# Altium PCB PCB1.PcbDoc (part 1 of 2)
Units mm, origin at the board's own origin, x right, y up, seen from the top; angles counter-clockwise.
Board outline 28.4 x 27.84 mm, 4 copper layers (Component Side, Ground Plane, Power Plane, Solder Side), stack 0.844 mm thick; 86 components, 65 nets, 284 pads, 172 vias.
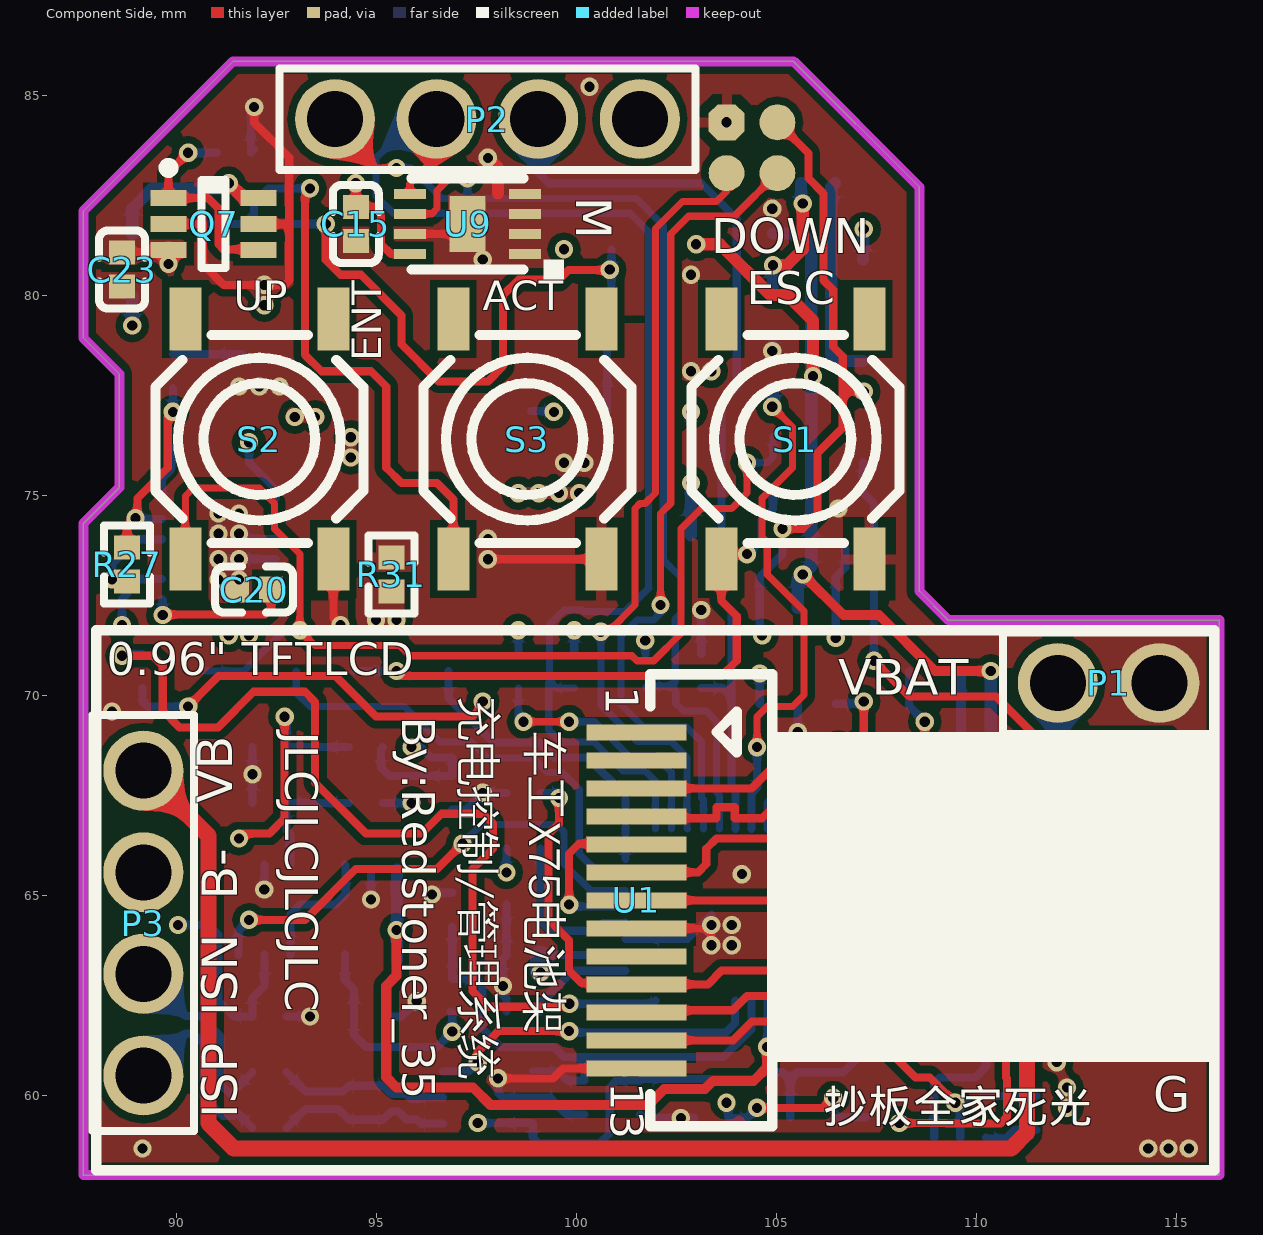
[diagram p0: Component Side view]
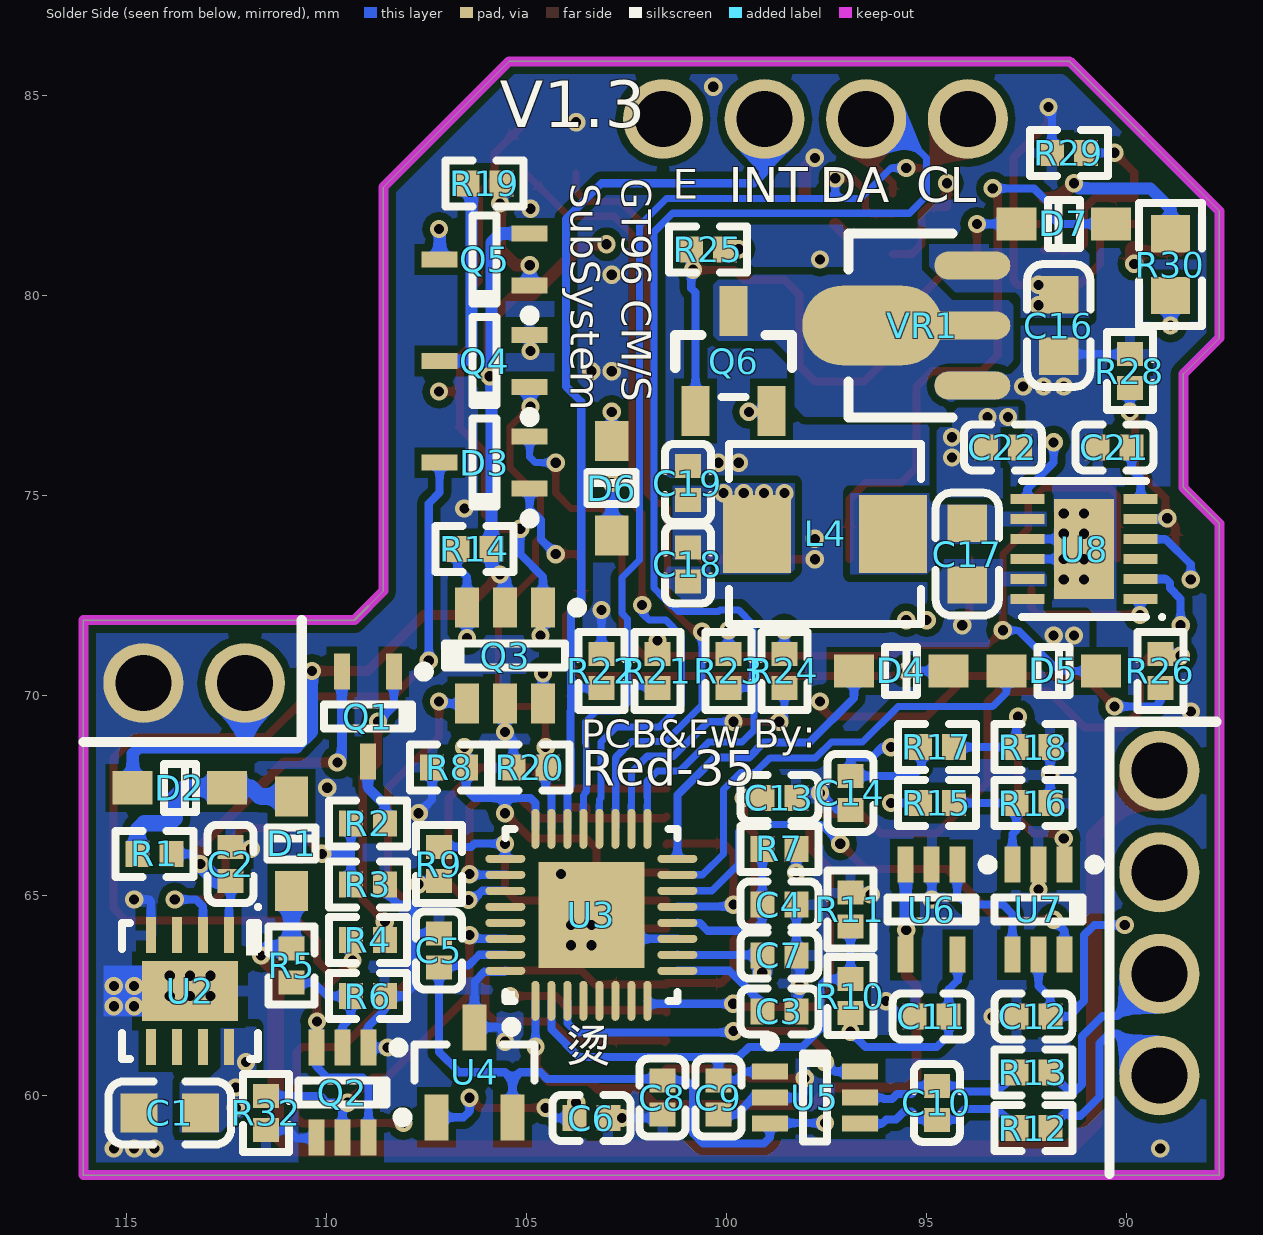
[diagram p1: Solder Side view, seen from below]
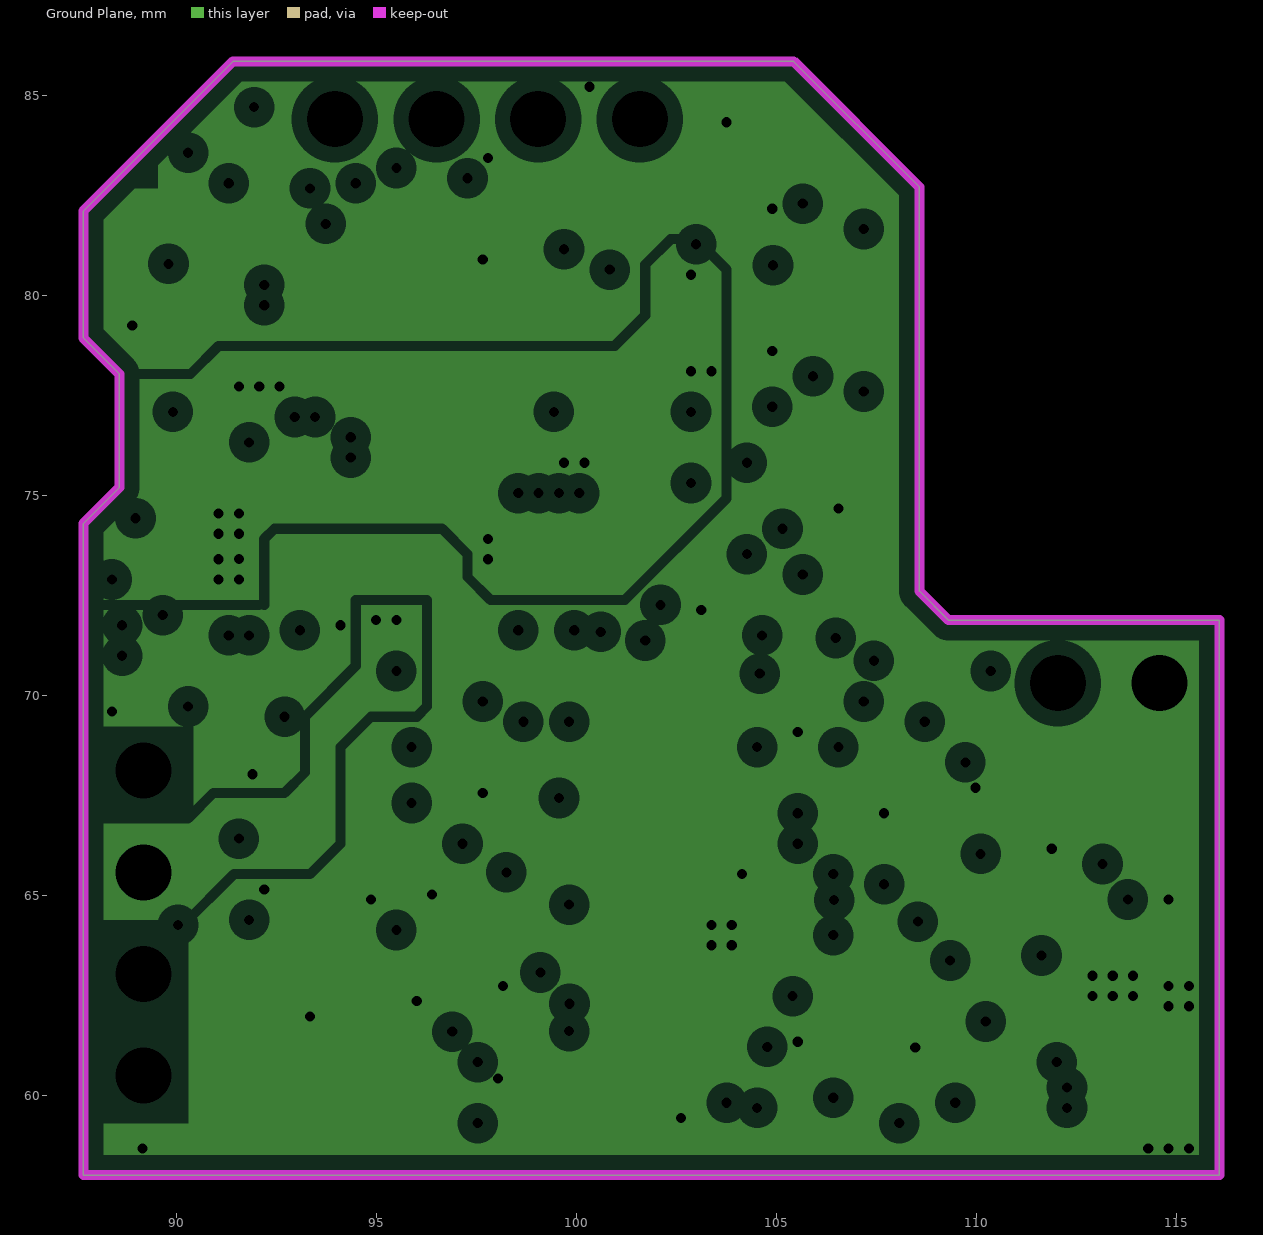
[diagram p2: Ground Plane, clearances drawn from the general rule]
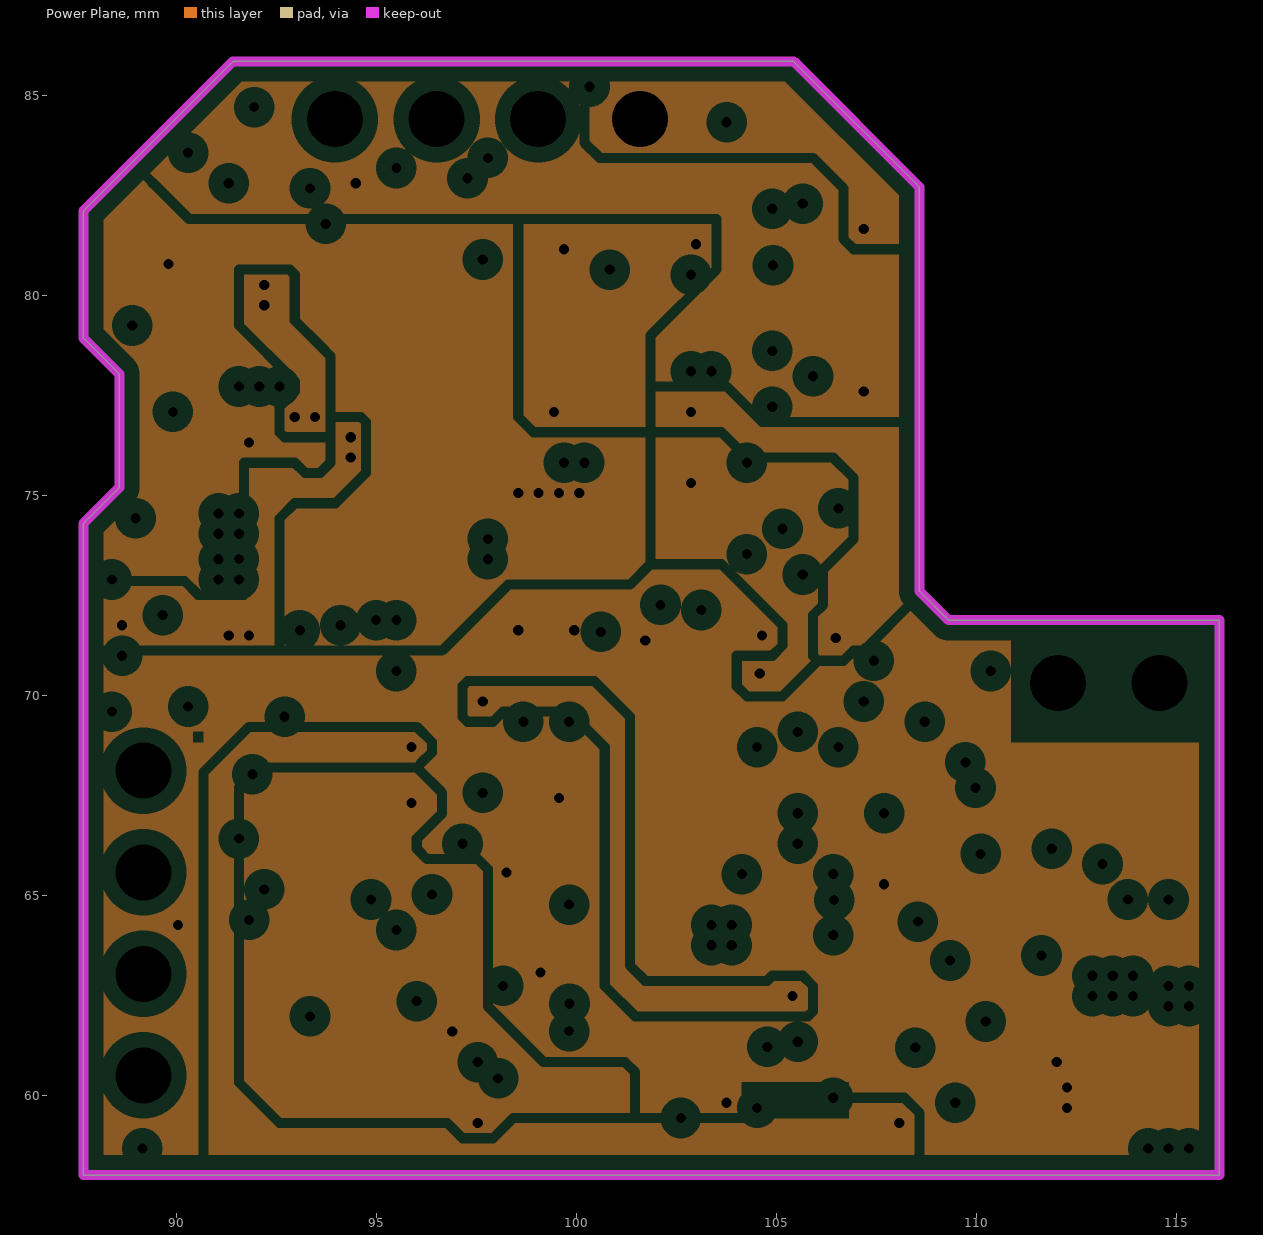
[diagram p3: Power Plane, clearances drawn from the general rule]
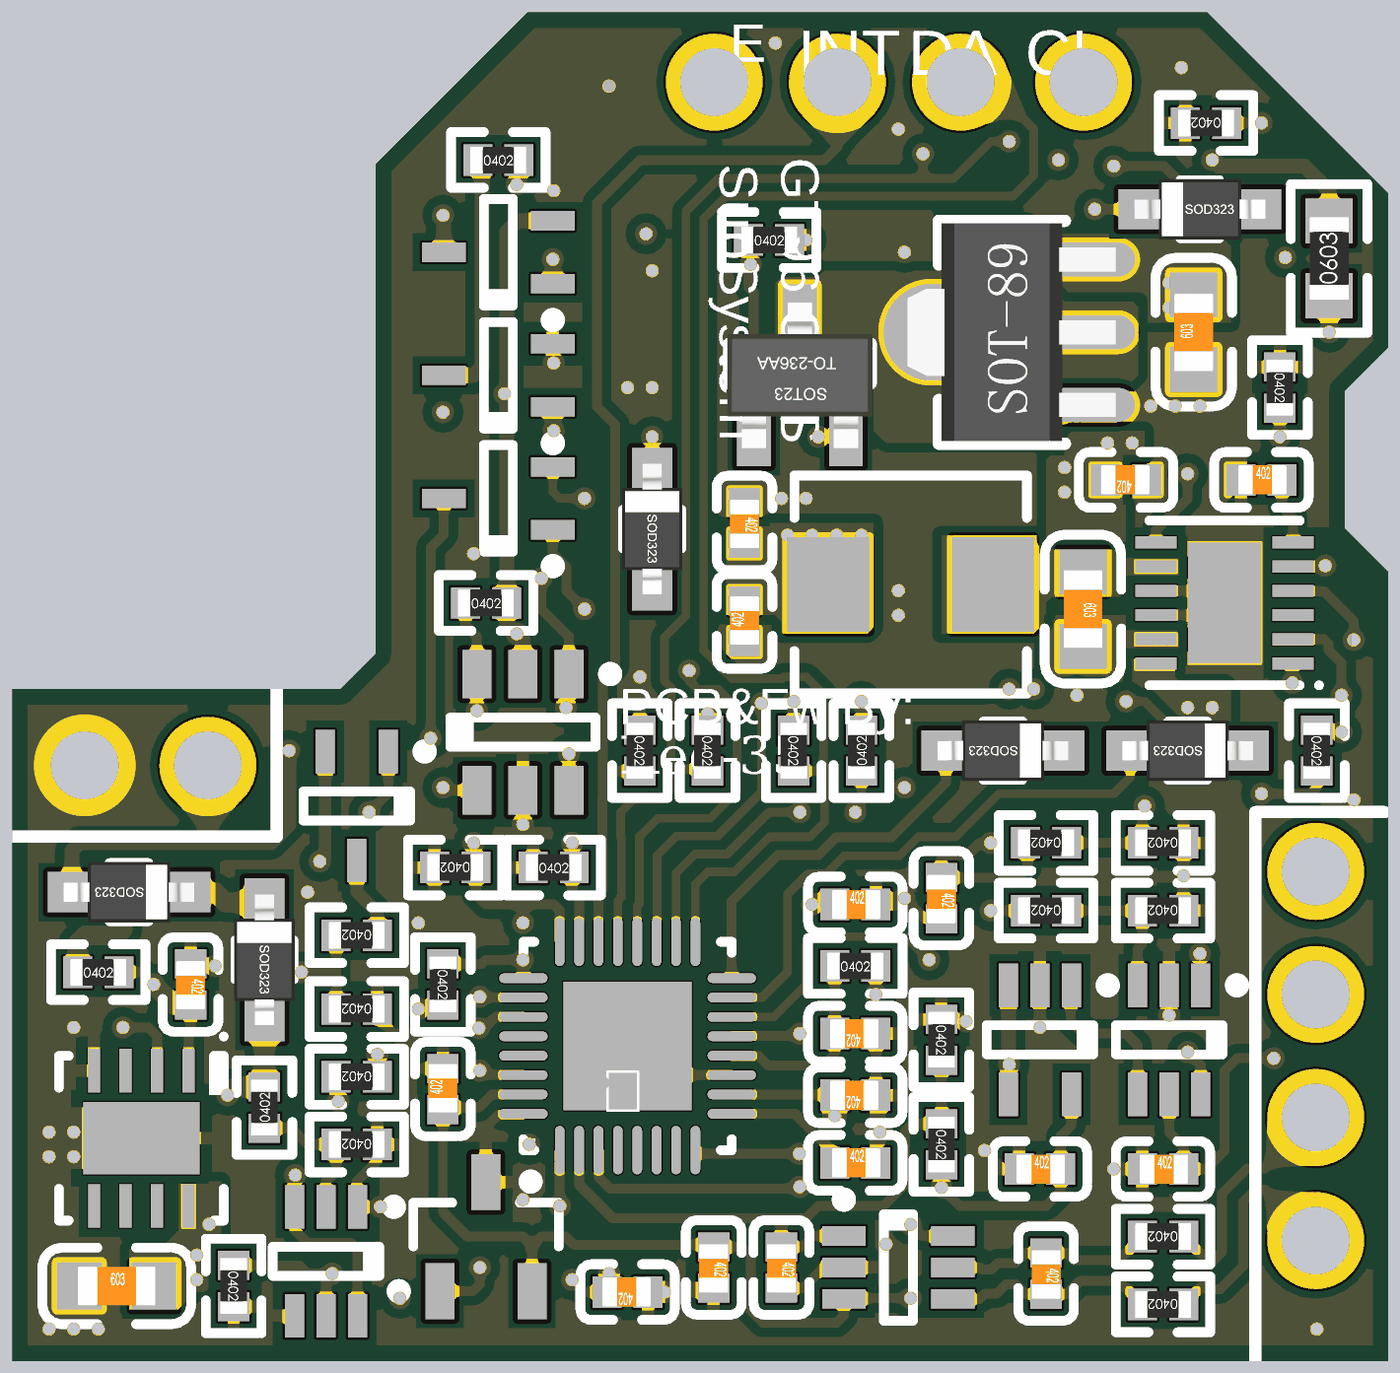
[diagram p5: 3D render of the assembled board from below, using the file's embedded part models]

## Layer stack, top to bottom
Top Solder: solder mask 0.0102, Solder Resist, Dk 3.5
Component Side: signal copper 0.0356
Dielectric 1: core 0.32, FR-4, Dk 4.8
Ground Plane: plane copper 0.036
Dielectric 3: prepreg 0.127, Dk 4.2
Power Plane: plane copper 0.036
Dielectric 4: core 0.254, Dk 4.2
Solder Side: signal copper 0.0356
Bottom Solder: solder mask 0.0102, Solder Resist, Dk 3.5

## Board outline
87.678,58.009 87.678,74.298 88.578,75.198 88.578,78.037 87.678,78.937 87.678,82.109 91.421,85.852 105.435,85.852 108.578,82.709 108.578,72.609 109.305,71.882 116.078,71.882 116.078,58.009

## Design rules (kind name [scope] priority, off if disabled: settings)
Clearance [All] p1: gap=0.191
DiffPairsRouting [All] p1: maxlimit=0.254 minlimit=0.203 mostfreqgap=0.229 toplayer_minwidth=0.203 toplayer_maxwidth=0.254 toplayer_prefwidth=0.229 bottomlayer_minwidth=0.203 bottomlayer_maxwidth=0.254 bottomlayer_prefwidth=0.229 maxuncoupledlength=12.7
PlaneClearance [All] p1: clearance=0.381
PlaneConnect [All] p1: planeconnectstyle=Direct reliefexpansion=0.508 reliefentries=4 reliefconductorwidth=0.254 reliefairgap=0.254
PolygonConnect PolygonConnect_1 [IsVia] p1: connectstyle=Direct reliefconductorwidth=0.254 reliefentries=4 polygonreliefangle="90 Angle" airgapwidth=0.254
PolygonConnect [All] p2: connectstyle=Direct reliefconductorwidth=0.254 reliefentries=4 polygonreliefangle="90 Angle" airgapwidth=0.254
RoomDefinition main [InComponentClass('main')] p1: confinementstyle=ConfineIn formatcopy=TRUE lockcomponents=FALSE outline 178.943,24.384 181.991,24.384 181.991,33.528 178.943,33.528
RoutingVias [All] p1: holewidth=0.711 width=1.27 viastyle="Through Hole" minholewidth=0.711 minwidth=1.27 maxholewidth=0.711 maxwidth=1.27
SolderMaskExpansion [All] p1: expansion=0.102
Width [All] p1: maxlimit=50.8 minlimit=0.178 preferedwidth=0.254
27 further rules are at their usual default settings.

## Classes and differential pairs
differential pair IS: +IS_P -IS_N
differential pair IS_FILT: +IS_FILT_P -IS_FILT_N

## Components (designator, comment, footprint, x,y, rotation, side; value= is the part's Value field where it differs from the comment)
C1 "10uF (106) 10% 10V" 0603_C 113.919,59.563 r180 bottom
C2 "1.0uF (105) 10% 25V" 0402_C 112.395,65.786 r270 bottom
C3 "4.7uF (475) 20% 10V" 0402_C 98.679,62.103 r180 bottom
C4 "100nF (104) 10% 16V" 0402_C 98.679,64.77 r0 bottom
C5 "1.0uF (105) 10% 25V" 0402_C 107.188,63.627 r90 bottom
C6 "100nF (104) 10% 16V" 0402_C 103.378,59.436 r0 bottom
C7 "100nF (104) 10% 16V" 0402_C 98.679,63.5 r0 bottom
C8 "100nF (104) 10% 16V" 0402_C 101.6,59.944 r270 bottom
C9 "1.0uF (105) 10% 25V" 0402_C 100.203,59.944 r270 bottom
C10 "10uF (106) 20% 6.3V" 0402_C 94.742,59.817 r270 bottom
C11 "100nF (104) 10% 16V" 0402_C 94.869,61.976 r180 bottom
C12 "100nF (104) 10% 16V" 0402_C 92.329,61.976 r180 bottom
C13 "100nF (104) 10% 16V" 0402_C 98.679,67.437 r180 bottom
C14 "100nF (104) 10% 16V" 0402_C 96.901,67.564 r270 bottom
C15 "100nF (104) 10% 16V" 0402_C 94.488,81.788 r90 top
C16 "10uF (106) 10% 10V" 0603_C 91.694,79.248 r90 bottom
C17 "10uF (106) 10% 10V" 0603_C 93.98,73.533 r270 bottom
C18 "10uF (106) 20% 10V" 0402_C 100.965,73.279 r90 bottom
C19 "10uF (106) 20% 10V" 0402_C 100.965,75.311 r270 bottom
C20 "220nF (224) 10% 16V" 0402_C 91.948,72.644 r0 top
C21 "1.0uF (105) 10% 25V" 0402_C 90.297,76.2 r180 bottom
C22 "10uF (106) 20% 10V" 0402_C 93.091,76.2 r0 bottom
C23 "10uF (106) 20% 10V" 0402_C 88.646,80.645 r90 top
D1 "1N5819WS S4" SOD-323 110.871,66.294 r270 bottom
D2 "1N5819WS S4" SOD-323 113.665,67.691 r0 bottom
D3 "BAW56WT1G" SC70-3 106.045,75.819 r0 bottom
D4 "1N4148WS T4" SOD-323 95.631,70.612 r0 bottom
D5 "1N4148WS T4" SOD-323 91.821,70.612 r0 bottom
D6 "BZT52C6V2S" SOD-323 102.87,75.184 r270 bottom
D7 "BZT52C6V2S" SOD-323 91.567,81.788 r180 bottom
L4 "0420-4.7uH" 0420CDMCCDS-***MC 97.536,74.041 r0 bottom
P1 "JVC2.54-2P" CONN-TH_2P-P2.54_JVC-2.54MM-2P 112.038,70.309 r180 top locked
P2 "JVC2.54-4P" CONN-TH_4P-P2.54_JVC-2.54MM-4P 93.968,84.409 r0 top locked
P3 "JVC2.54-4P" CONN-TH_4P-P2.54_JVC-2.54MM-4P 89.178,68.119 r270 top locked
Q1 "SS8550 Y2" SC70-3 108.966,69.469 r270 bottom
Q2 "2N7002DW" SC70-6 109.601,60.071 r270 bottom
Q3 "DMG6601LVT" SOT95P245X110-6N 105.537,70.993 r270 bottom
Q4 "2N7002KW" SC70-3 106.045,78.359 r0 bottom
Q5 "SS8550 Y2" SC70-3 106.045,80.899 r0 bottom
Q6 "NCE60P04Y" SOT-23(SOT-23-3) 99.822,78.359 r270 bottom
Q7 "2N7002DW" SC70-6 90.932,81.788 r0 top
R1 "1Ω (1R00) ±1%" 0402_R 114.3,66.04 r180 bottom
R2 "20KΩ (2002) ±1%" 0402_R 108.966,66.802 r0 bottom
R3 "9.1KΩ (9101) ±1%" 0402_R 108.966,65.278 r0 bottom
R4 "15KΩ (1502) ±1%" 0402_R 108.966,63.881 r0 bottom
R5 "20KΩ (2002) ±1%" 0402_R 110.871,63.246 r90 bottom
R6 "9.1KΩ (9101) ±1%" 0402_R 108.966,62.484 r0 bottom
R7 "10KΩ (1002) ±1%" 0402_R 98.679,66.167 r180 bottom
R8 "10KΩ (1002) ±1%" 0402_R 106.934,68.199 r0 bottom
R9 "10KΩ (1002) ±1%" 0402_R 107.188,65.786 r270 bottom
R10 "ARG02BTC1501" 0402_R 96.901,62.484 r270 bottom
R11 "ARG02BTC1501" 0402_R 96.901,64.643 r270 bottom
R12 "10Ω (10R0) ±1%" 0402_R 92.329,59.182 r0 bottom
R13 "10Ω (10R0) ±1%" 0402_R 92.329,60.579 r0 bottom
R14 "20KΩ (2002) ±1%" 0402_R 106.299,73.66 r180 bottom
R15 "ARG02BTC1002" 0402_R 94.742,67.31 r0 bottom
R16 "SDNT1005X153H3450HTF" 0402_R 92.329,67.31 r0 bottom
R17 "ARG02BTC1003" 0402_R 94.742,68.707 r0 bottom
R18 "ARG02BTC1002" 0402_R 92.329,68.707 r0 bottom
R19 "15KΩ (1502) ±1%" 0402_R 106.045,82.804 r180 bottom
R20 "10KΩ (1002) ±1%" 0402_R 104.902,68.199 r180 bottom
R21 "3.3KΩ (3301) ±1%" 0402_R 101.727,70.612 r270 bottom
R22 "100KΩ (1003) ±1%" 0402_R 103.124,70.612 r270 bottom
R23 "3.3KΩ (3301) ±1%" 0402_R 99.949,70.612 r270 bottom
R24 "10KΩ (1002) ±1%" 0402_R 98.552,70.612 r90 bottom
R25 "20KΩ (2002) ±1%" 0402_R 100.457,81.153 r180 bottom
R26 "100Ω (1000) ±1%" 0402_R 89.154,70.612 r270 bottom
R27 "51KΩ (5102) ±1%" 0402_R 88.773,73.279 r270 top
R28 "180KΩ (1803) ±1%" 0402_R 89.916,78.105 r270 bottom
R29 "10KΩ (1002) ±1%" 0402_R 91.44,83.566 r0 bottom
R30 "220Ω (2200) ±1%" 0603_R 88.9,80.772 r90 bottom
R31 "0Ω (0R0) ±1%" 0402_R 95.377,73.025 r90 top
R32 "2KΩ (2001) ±1%" 0402_R 111.506,59.563 r270 bottom
S1 "4x4轻触" SW-SMD_4P-L5.2-W5.2-P3.70-LS6.4 105.478,76.409 r90 top locked
S2 "4x4轻触" SW-SMD_4P-L5.2-W5.2-P3.70-LS6.4 92.078,76.409 r90 top locked
S3 "4x4轻触" SW-SMD_4P-L5.2-W5.2-P3.70-LS6.4 98.778,76.409 r90 top locked
U1 "0.96Inch LCD" "0.96\"IPS168*80TFT" 115.951,71.628 r0 top locked
U2 "MPQ2013AGQ-33-AEC1" MPQ2013A-QFN8 113.411,62.611 r270 bottom
U3 "HT32F52352-QFN33" QFN32-HT32 103.378,64.516 r90 bottom
U4 "REF3025AIDBZR" SOT-23_N 106.299,60.579 r90 bottom
U5 "INA199A1DCKR" SC70-6 97.79,59.944 r180 bottom
U6 "OPA391DCKR" SC70-5 94.869,64.643 r270 bottom
U7 "CH443K" SC70-6 92.202,64.643 r270 bottom
U8 "TPS63710DRRR" DR0012C 91.059,73.66 r0 bottom
U9 "FM24C64D-DN-T-G" UDFN-8 97.282,81.788 r180 top
VR1 "HT7533-3" SOT-89(SOT-89-3) 93.853,79.248 r180 bottom
